# Altium PCB 打样.PcbDoc
Units mm, origin at the board's own origin, x right, y up, seen from the top; angles counter-clockwise.
Board outline 198.01 x 80.01 mm, 2 copper layers (Top Layer, Bottom Layer); 21 components, 8 nets, 58 pads, 50 vias.
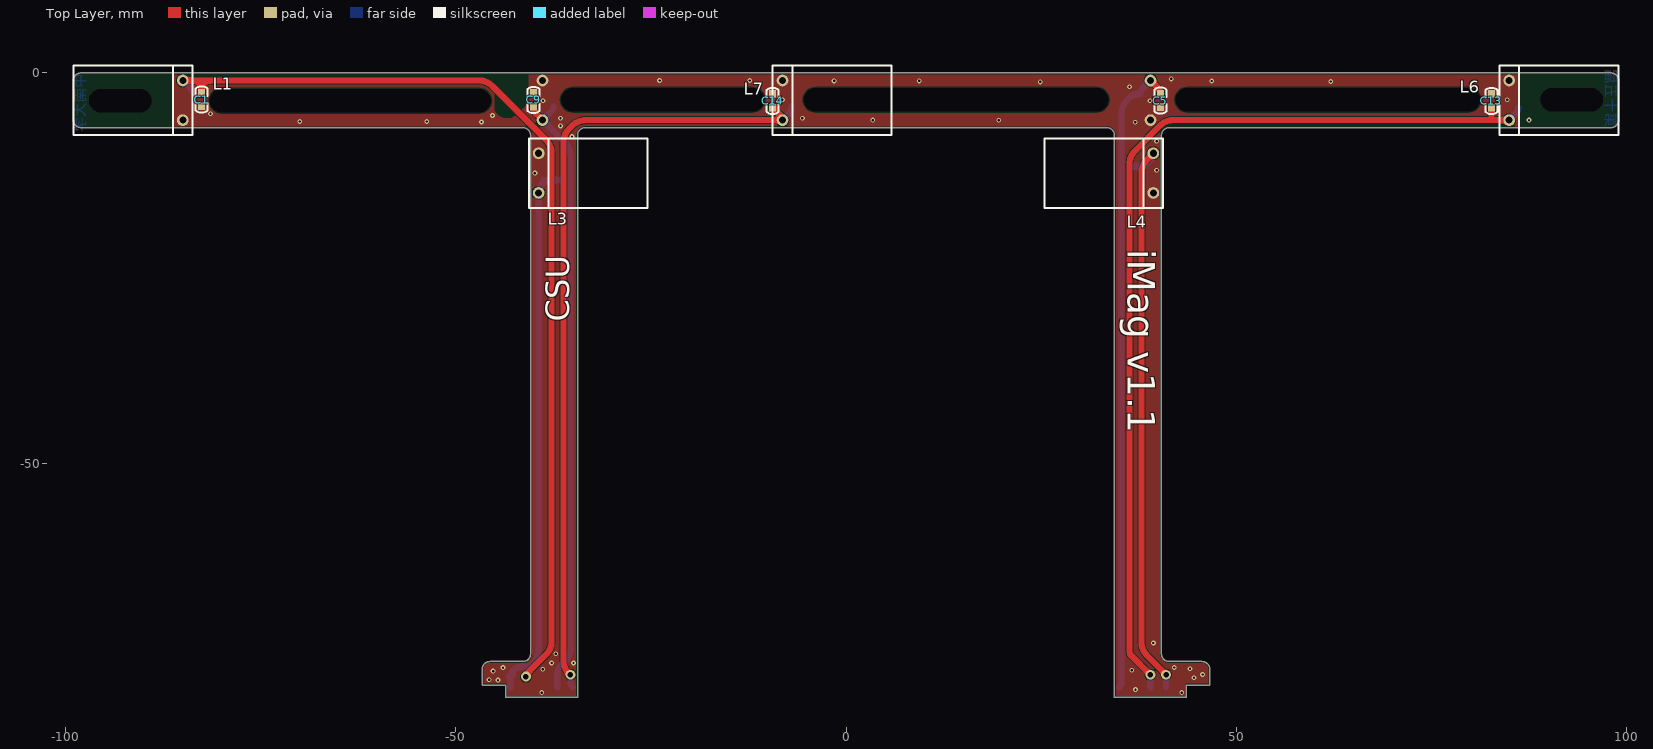
[diagram p0: Top Layer view]
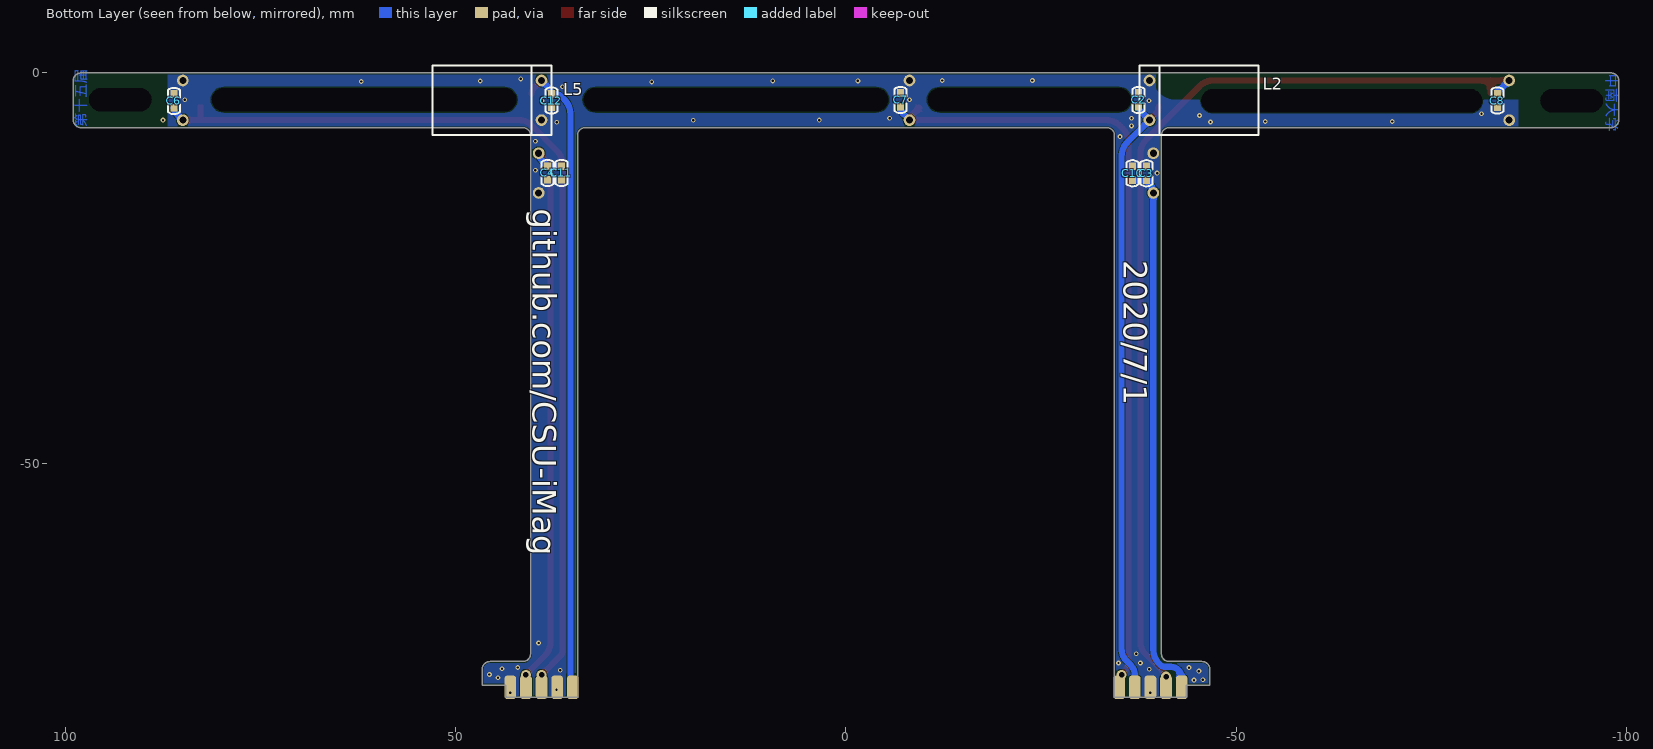
[diagram p1: Bottom Layer view, seen from below]
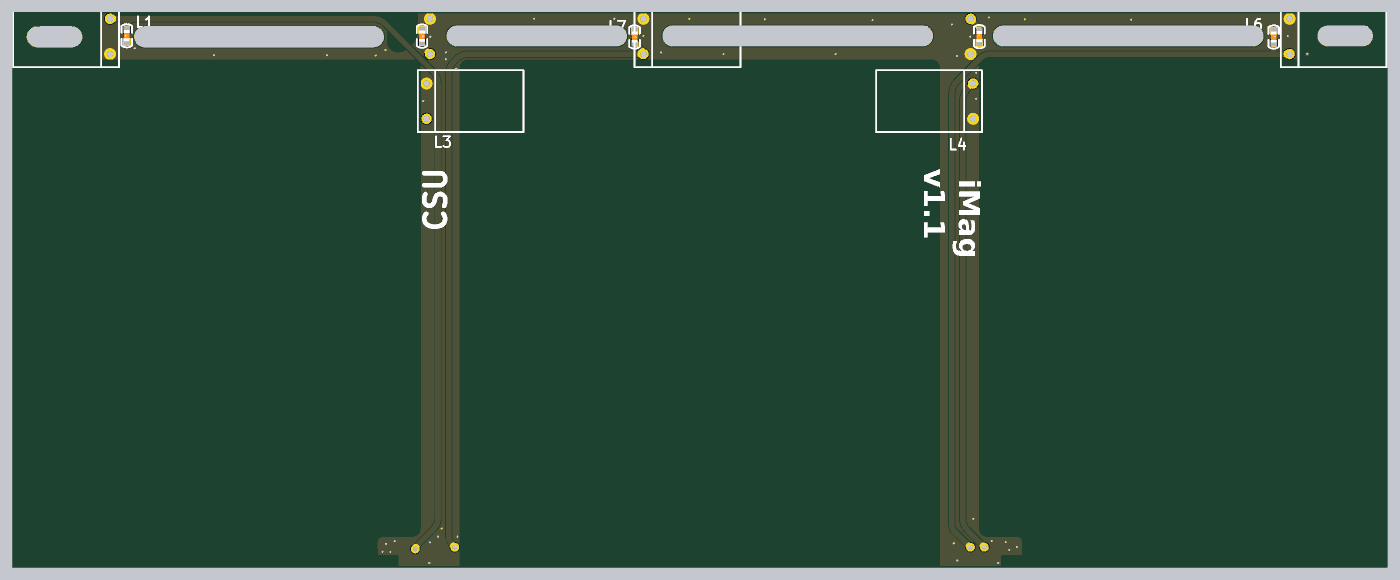
[diagram p2: 3D render of the assembled board from above, using the file's embedded part models]
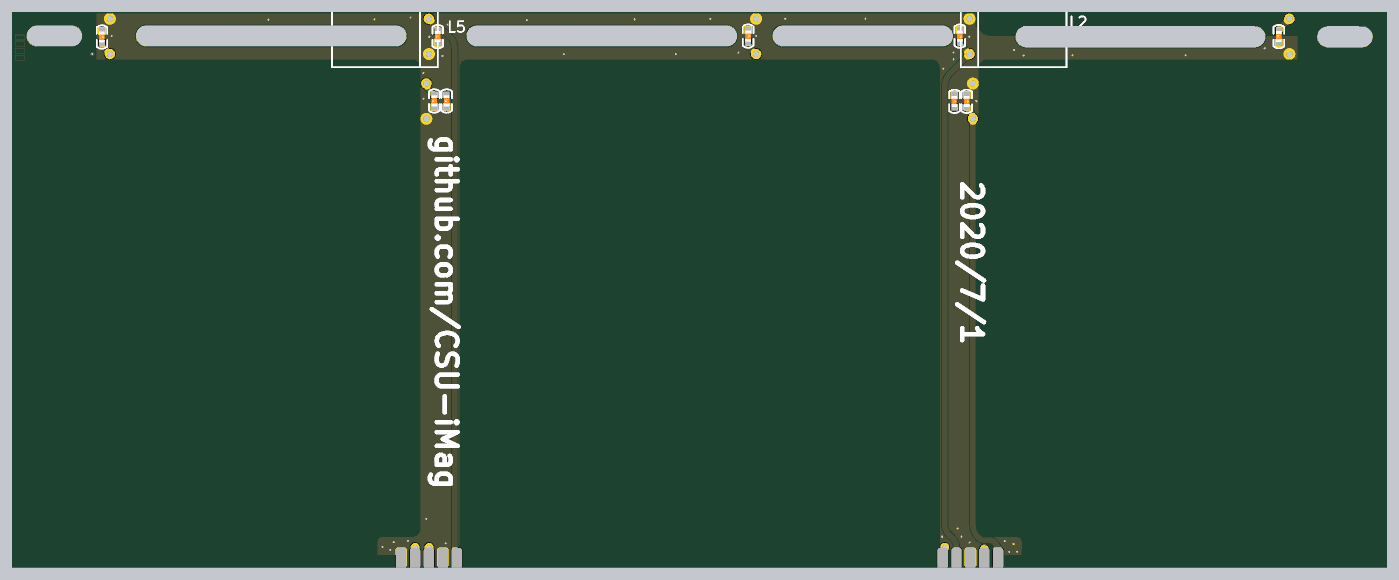
[diagram p3: 3D render of the assembled board from below, using the file's embedded part models]

## Layer stack, top to bottom
Top Solder: solder mask 0.0102, Solder Resist, Dk 3.5
Top Layer: signal copper 0.0356
Dielectric 1: dielectric 0.32, FR-4, Dk 4.8
Bottom Layer: signal copper 0.0356
Bottom Solder: solder mask 0.0102, Solder Resist, Dk 3.5

## Board outline
-46.6,-78.407 -43.607,-78.407 -43.607,-80 ccw(c-43.6,-80) -43.6,-80.007 -34.4,-80.007 ccw(c-34.4,-80) -34.393,-80 -34.393,-8 cw(c-33.4,-8) -33.4,-7.007 cw(c-33.4,-8) -33.4,-7.007 33.4,-7.007 ccw(c33.4,-7) 33.4,-7.007 cw(c33.4,-8) 34.393,-8 34.393,-80 ccw(c34.4,-80) 34.4,-80.007 43.6,-80.007 ccw(c43.6,-80) 43.607,-80 43.607,-78.407 46.6,-78.407 ccw(c46.6,-78.4) 46.607,-78.4 46.607,-76.4 ccw(c45.6,-76.4) 45.6,-75.393 41.4,-75.393 ccw(c41.4,-75.4) 41.4,-75.393 cw(c41.4,-74.4) 40.407,-74.4 40.407,-8 cw(c41.4,-8) 41.4,-7.007 cw(c41.4,-8) 41.4,-7.007 98,-7.007 ccw(c98,-6) 99.007,-6 ccw(c99,-6) 99.007,-6 99.007,-1 ccw(c98,-1) 98,0.007 -98,0.007 ccw(c-98,-1) -99.007,-1 ccw(c-99,-1) -99.007,-1 -99.007,-6 cw(c-99,-6) -99.007,-6 ccw(c-98,-6) -98,-7.007 -41.4,-7.007 ccw(c-41.4,-7) -41.4,-7.007 cw(c-41.4,-8) -40.407,-8 -40.407,-74.4 cw(c-41.4,-74.4) -41.4,-75.393 ccw(c-41.4,-75.4) -41.4,-75.393 -45.6,-75.393 ccw(c-45.6,-76.4) -46.607,-76.4 -46.607,-78.4 ccw(c-46.6,-78.4)

## Design rules (kind name [scope] priority, off if disabled: settings)
BoardOutlineClearance [All] p1: gap=0.2 ignorepadtopadclearanceinfootprint=FALSE
Clearance [All] p1: gap=0.127 ignorepadtopadclearanceinfootprint=TRUE except(0: Arc-Text Arc-Hole Track-Text Track-Hole SMDPad-Hole THPad-Hole Via-Hole Fill-Text Fill-Hole Poly-Text Poly-Hole Region-Text Region-Hole Text-Text; 0.089: SMDPad-Text THPad-Text Via-Text Text-Hole; 0.15: Via-Fill Via-Poly Via-Region; 0.152: Arc-SMDPad Arc-THPad Arc-Via Track-SMDPad Track-THPad Track-Via SMDPad-Fill SMDPad-Poly SMDPad-Region THPad-Fill THPad-Poly THPad-Region; 0.254: SMDPad-SMDPad SMDPad-THPad SMDPad-Via THPad-THPad THPad-Via Via-Via)
ComponentClearance [All] p1: gap=0.254 collisioncheckmode=3 verticalgap=0.254 showdistances=TRUE
DiffPairsRouting [All] p1: maxlimit=0.254 minlimit=0.152 mostfreqgap=0.254 toplayer_minwidth=0.152 toplayer_maxwidth=0.381 toplayer_prefwidth=0.381 bottomlayer_minwidth=0.152 bottomlayer_maxwidth=0.381 bottomlayer_prefwidth=0.381 maxuncoupledlength=12.7
HoleSize [All] p1: absolutevalues=TRUE maxlimit=0.6 minlimit=0.3 maxpercent=80.000 minpercent=20.000
MinimumSolderMaskSliver [All] p1: minsoldermaskwidth=0.05
PlaneConnect [All] p1: planeconnectstyle=Direct reliefexpansion=0.508 reliefentries=4 reliefconductorwidth=0.254 reliefairgap=0.254
PolygonConnect [All] p1: connectstyle=Direct reliefconductorwidth=0.254 reliefentries=4 polygonreliefangle="90 Angle" airgapwidth=0.254
RoutingVias [All] p1: holewidth=0.4 width=0.7 viastyle="Through Hole" minholewidth=0.3 minwidth=0.6 maxholewidth=6.3 maxwidth=7
SilkToSilkClearance [All] p1: silktosilkclearance=0.127
SilkToSolderMaskClearance [IsPad] p1: minsilkscreentomaskgap=0.089 clearancetoexposedcopper=FALSE
SolderMaskExpansion [All] p1: expansion=0.102 istentingtop=FALSE
UnRoutedNet [All] p1: checkbadconnections=TRUE
Width [All] p1: maxlimit=2.032 minlimit=0.127 preferedwidth=0.254
22 further rules are at their usual default settings.

## Components (designator, comment, footprint, x,y, rotation, side; value= is the part's Value field where it differs from the comment)
C1 "电容" C0603 -82.55,-4.293 r90 top value=22pF
C2 "电容" C0603 -37.481,-2.565 r270 bottom value=22pF
C3 "电容" C0603 -38.481,-11.963 r270 bottom value=22pF
C4 "电容" C0603 38.227,-13.691 r90 bottom value=22pF
C5 "电容" C0603 40.275,-4.42 r90 top value=22pF
C6 "电容" C0603 86.106,-2.692 r270 bottom value=22pF
C7 "电容" C0603 -6.985,-2.565 r270 bottom value=22pF
C8 "电容" C0603 -83.439,-4.42 r90 bottom value=22pF
C9 "电容" C0603 -40.021,-2.565 r270 top value=22pF
C10 "电容" C0603 -36.703,-11.963 r270 bottom value=22pF
C11 "电容" C0603 36.449,-13.691 r90 bottom value=22pF
C12 "电容" C0603 37.735,-4.42 r90 bottom value=22pF
C13 "电容" C0603 82.677,-2.692 r270 top value=22pF
C14 "电容" C0603 -9.398,-2.692 r270 top value=22pF
L1 "电感" LD8x10 -84.963,-3.5 r90 top
L2 "电感" LD8x10 -38.878,-3.5 r270 bottom
L3 "电感" LD8x10 -39.37,-12.827 r270 top
L4 "电感" LD8x10 39.37,-12.827 r90 top
L5 "电感" LD8x10 39.005,-3.5 r90 bottom
L6 "电感" LD8x10 84.963,-3.5 r270 top
L7 "电感" LD8x10 -8.128,-3.5 r270 top

## Footprints (in the part's own frame and the unit in brackets; to place one, negate y for a bottom-side part, rotate by r counter-clockwise, add the part's x,y. Pads: shape width x height; smd on the part's side, far side on the other; paste and mask are expansions set on the pad)
C0603 [mil]
  rect 38x35 smd: 1(0,0) 2(69,0)
  silkscreen extent -31,-30 101,30, body extent 4,-16 67,16, height 12
LD8x10 [mm] "直插8x10mm电感"
  round 1.5 hole 0.9: 1(-2.54,0) 2(2.54,0)
  silkscreen extent -4.45,-1.27 4.44,13.97, body extent -4,-0.4 4,13.25, height 8

## Part data
C1 C2 C3 C4 C5 C6 C7 C8 C9 C10 C11 C12 C13 C14: "Capacitor", LatestRevisionDate=17-Jul-2002, LatestRevisionNote="Re-released for DXP Platform.", PackageDescription="Radial Cap, Thru-Hole; 2 Leads; 0.3 in Pin Spacing", PackageReference=RAD-0.3, Published=8-Jun-2000, Publisher="Altium Limited"

## Free pads (board coordinates)
  rect 0x0 hole 3 slot 8 at 0 deg: 2(-92.964,-3.556) 3(92.964,-3.429)
  rect 0x0 hole 3 slot 36 at 0 deg: 4(-63.5,-3.556)
  rect 0x0 hole 3 slot 39 at 0 deg: 5(61.722,-3.429) 6(14.097,-3.429)
  rect 0x0 hole 3 slot 26 at 0 deg: 7(-23.495,-3.429)
  rrect50% 1.5x3 smd far side: 8(-43,-78.7) 8(-41,-78.7) 8(-37,-78.7) 8(-35,-78.7) 8(35,-78.7) 8(37,-78.7) 8(41,-78.7) 8(43,-78.7) 9(-39,-78.7) 9(39,-78.7)

## Via types
v1: diameter 0.61, hole 0.305, Top Layer to Bottom Layer, tented both sides, 46 vias
v2: diameter 1.27, hole 0.711, Top Layer to Bottom Layer, 4 vias

## Nets (pads, with @x,y where several pads share a name; then routed paths per layer and width w, separated by ;. In a path a pad name is that pad's centre, name@x,y a point inside that pad or via, vN(x,y) a via of type N, cw(c..) or ccw(c..) an arc to the next point about the centre after c; other vN are vias at no path point)
GND: C1.1 C2.1 C3.1 C4.1 C5.1 C6.1 C7.1 C8.1 C9.1 C10.1 C11.1 C12.1 C13.1 C14.1 L1.1 L2.1 L3.1 L4.1 L5.1 L6.1 L7.1 pad.8@37,-78.7 pad.8@43,-78.7 pad.9@-39,-78.7
  other v1: -38.989,-79.375 43,-79.375 37.084,-78.994 -44.577,-77.775 -45.72,-77.739 44.577,-77.485 45.679,-77.053 -45.212,-76.621 36.591,-76.529 -38.862,-76.399 44.069,-76.321 -43.942,-76.175 42.037,-76.166 -37.719,-75.588 -34.91,-75.588 -37.182,-74.416 39.385,-73.025 -39.852,-12.827 39.793,-12.471 39.793,-8.763 -35.105,-8.153 -36.581,-6.784 37.04,-6.326 -46.69,-6.275 -69.977,-6.223 -53.721,-6.223 3.429,-6.04 19.558,-6.047 -36.581,-5.805 -5.588,-5.805 -45.286,-5.455 -81.407,-5.216 -38.822,-3.556 38.949,-3.556 -8.128,-3.429 84.709,-3.429 36.322,-1.769 24.892,-1.143 62.103,-1.101 -1.524,-1.016 9.398,-1.016 46.863,-1.025 -23.876,-0.96 -12.319,-0.96 41.656,-0.762
NetC1_2: C1.2 C8.2 L1.2 pad.8@-41,-78.7 | length 123.7
  Top Layer w0.8: L1.2 -82.55,-0.96 ; C1.2 -82.55,-0.96 ; v2(-41,-77.343) cw(c-40.949,-77.292) -41.021,-77.292 -41.021,-77.089 -38.348,-74.416 ccw(c-39.865,-72.898) -37.719,-72.898 -37.719,-10.323 ccw(c-40.259,-10.323) -38.463,-8.527 -45.286,-1.704 ccw(c-47.082,-3.5) -47.082,-0.96 -82.55,-0.96
  Bottom Layer w0.8: L1.2 -83.568,-2.355 cw(c-83.881,-2.667) C8.2
NetC2_2: C2.2 C9.2 L2.2 pad.8@-37,-78.7 | length 79
  Top Layer w0.8: C9.2 ccw(c-38.623,-4.318) -39.612,-5.306 L2.2
  Bottom Layer w0.8: C2.2 cw(c-38.266,-4.318) -37.711,-4.873 L2.2 -36.05,-8.868 cw(c-37.846,-10.664) -35.306,-10.664 -35.306,-73.787 cw(c-37.452,-73.787) -35.935,-75.305 -36.449,-75.819 ccw(c-35.119,-77.149) -37,-77.149 pad.8@-37,-78.7
NetC3_2: C3.2 C10.2 L3.2 pad.8@-43,-78.7 | length 69.3
  Bottom Layer w0.8: pad.8@-43,-78.7 -43,-77.552 cw(c-41.447,-77.552) -42.545,-76.454 cw(c-41.625,-77.374) -41.625,-76.073 -40.872,-76.073 ccw(c-40.872,-75.206) -40.259,-75.819 -40.114,-75.674 ccw(c-41.91,-73.878) -39.37,-73.878 -39.37,-73.152 L3.2 cw(c-37.53,-15.367) -38.831,-14.066 C3.2 C10.2
NetC4_2: C4.2 C11.2 L4.2 pad.8@41,-78.7 | length 74
  Top Layer w0.8: L4.2 38.59,-11.067 ccw(c40.386,-12.863) 37.846,-12.863 37.846,-72.862 ccw(c40.386,-72.862) 38.59,-74.658 40.985,-77.053 cw(c40.949,-77.089) v2(41,-77.089)
  Bottom Layer w0.8: C11.2 C4.2 39.011,-11.154 ccw(c38.144,-10.287) L4.2 ; pad.8@41,-78.7 v2(41,-77.089)
NetC5_2: C5.2 C12.2 L5.2 pad.8@35,-78.7 | length 81.9
  Top Layer w0.8: L5.2 39.966,-1.921 cw(c39.22,-2.667) C5.2
  Bottom Layer w0.8: pad.8@35,-78.7 ccw(c34.261,-77.961) 35.306,-77.961 35.306,-72.898 35.306,-5.243 cw(c37.846,-5.243) 36.05,-3.447 36.449,-3.048 cw(c37.369,-3.968) 37.369,-2.667 C12.2 cw(c38.79,-2.667) 38.044,-1.921 L5.2
NetC6_2: C6.2 C13.2 L6.2 pad.9@39,-78.7 | length 121.5
  Top Layer w0.8: v2(38.989,-77.089) 36.591,-74.691 cw(c37.242,-74.041) 36.322,-74.041 36.322,-11.684 cw(c38.775,-11.684) 37.04,-9.95 40.275,-6.715 ; L6.2 41.905,-6.04 ccw(c41.905,-8.345) 40.276,-6.714 ; 40.276,-6.714 ccw(c41.905,-8.345) 40.275,-6.715
  Bottom Layer w0.8: v2(38.989,-77.089) 38.989,-78.673 ccw(c39.027,-78.673) pad.9@39,-78.7 ; L6.2 85.786,-5.217 ccw(c85.015,-4.445) C6.2
NetC7_2: C7.2 C14.2 L7.2 pad.8@-35,-78.7 | length 104.3
  Top Layer w0.8: v2(-35.306,-77.089) ccw(c-35.122,-77.089) -35.252,-77.219 -35.451,-77.02 cw(c-33.655,-75.224) -36.195,-75.224 -36.195,-74.168 -36.195,-8.926 cw(c-33.655,-8.926) -35.451,-7.13 -35.105,-6.784 cw(c-33.309,-8.58) -33.309,-6.04 L7.2 ccw(c-8.913,-6.04) -8.358,-5.485 C14.2
  Bottom Layer w0.8: v2(-35.306,-77.089) -35.306,-77.961 ccw(c-34.261,-77.961) pad.8@-35,-78.7 ; L7.2 -7.394,-5.306 ccw(c-8.383,-4.318) C7.2
copper on no net:
  other v1: 87.503,-6.04

## Polygon pours and split planes (outlines as drawn)
GND on Bottom Layer "NONET_L01_P-001" (solid, remove dead copper, pour order 0): -86.106,4.445 -86.106,-54.066 ccw(c-83.566,-54.066) -85.362,-55.862 -55.227,-85.997 ccw(c-53.431,-84.201) -53.431,-86.741 96.393,-86.741 96.393,-23.404 ccw(c93.853,-23.404) 95.649,-21.608 86.106,-12.065 86.124,-12.047 ccw(c84.328,-10.251) 86.868,-10.251 86.868,1.651 cw(c86.868,4.104) 85.134,2.369 84.328,3.175
GND on Top Layer "NONET_L01_P-001" (solid, remove dead copper, pour order 1): -85.471,2.667 cw(c-86.248,2.345) -86.233,1.504 -86.233,-77.978 -80.5,-83.711 ccw(c-78.704,-81.915) -78.704,-84.455 62.067,-84.455 ccw(c62.067,-81.915) 63.863,-83.711 85.489,-62.085 ccw(c83.693,-60.289) 86.233,-60.289 86.233,2.667

## Other copper
Top Layer:
  rectangle net NetC6_2: 82.296,-6.096 83.058,-4.064
  pour cut-out: -45.085,2.032 -45.085,-4.332 ccw(c-43.784,-4.332) -44.704,-5.252 -44.659,-5.297 ccw(c-43.434,-4.072) -43.434,-5.805 ccw(c-43.434,-3.771) -41.996,-5.209 -41.361,-4.574 ccw(c-43.158,-2.778) -40.618,-2.778 -40.618,0.728 ccw(c-42.82,0.728) -41.263,2.286
Bottom Layer:
  pour cut-out: -80.01,2.794
  pour cut-out: -87.249,-3.175 ccw(c-86.636,-2.562) -86.636,-3.429 -42.077,-3.429 ccw(c-42.077,-0.889) -40.281,-2.685 -39.852,-2.255 ccw(c-40.214,-1.893) -39.701,-1.893 -39.701,0.254 -85.181,0.254 cw(c-85.181,2.794) -86.977,0.998 -87.503,1.524
  text "中南大学" at -97.028,-0.127 h2.3 r90
  text "第十五届" at 96.901,-6.985 h2.3 r270

## Silkscreen, mask and mechanical layers (free items; w line width, h text height)
Top Overlay:
  text "iMag v1.1" at 34.925,-22.606 h6 r270
  text "CSU" at -35.433,-31.877 h3 r90
Bottom Overlay:
  text "github.com/CSU-iMag" at 40.132,-17.399 h3 r90
  text "2020/7/1" at -35.56,-24.003 h3 r90
Mechanical 1:
  lines w0.013: -99,-6 ccw(c-98,-6) -98,-7 ; -99,-6 ccw(c-98,-6) -98,-7 ; -99,-6 -99,-1 ; -99,-6 -99,-1 ; -99,-1 cw(c-98,-1) -98,0 ; -99,-1 cw(c-98,-1) -98,0 ; -98,-7 -41.4,-7 ; -98,-7 -41.4,-7 ; -98,0 98,0 ; -98,0 98,0 ; -97,-5 -97,-2 ; -97,-5 -89,-5 ; -97,-5 -97,-2 ; -97,-5 -89,-5 ; -97,-2 -89,-2 ; -97,-2 -89,-2 ; -89,-5 -89,-2 ; -89,-5 -89,-2 ; -89,-2 -89,-3.5 -89,-2 ; -50.5,-5 -50.5,-2 ; -50.5,-5 -42.5,-5 ; -50.5,-5 -50.5,-2 ; -50.5,-5 -42.5,-5 ; -50.5,-2 -42.5,-2 ; -50.5,-2 -42.5,-2 ; -46.6,-78.4 -43.6,-78.4 ; -46.6,-78.4 -46.6,-76.4 ; -46.6,-78.4 -43.6,-78.4 ; -46.6,-78.4 -46.6,-76.4 ; -46.6,-76.4 cw(c-45.6,-76.4) -45.6,-75.4 ; -46.6,-76.4 cw(c-45.6,-76.4) -45.6,-75.4 ; -45.6,-75.4 -41.4,-75.4 ; -45.6,-75.4 -41.4,-75.4 ; -43.6,-80 -34.4,-80 ; -43.6,-80 -43.6,-78.4 ; -43.6,-80 -34.4,-80 ; -43.6,-80 -43.6,-78.4 ; -42.5,-5 -42.5,-3.5 ; -42.5,-5 -42.5,-3.5 ; -42.5,-3.5 -42.5,-2 ; -42.5,-3.5 -42.5,-2 ; -41.4,-75.4 ccw(c-41.4,-74.4) -40.4,-74.4 ; -41.4,-75.4 ccw(c-41.4,-74.4) -40.4,-74.4 ; -41.4,-7 cw(c-41.4,-8) -40.4,-8 ; -41.4,-7 cw(c-41.4,-8) -40.4,-8 ; -40.4,-74.4 -40.4,-8 ; -40.4,-74.4 -40.4,-8 ; -34.4,-80 -34.4,-8 ; -34.4,-80 -34.4,-8 ; -34.4,-8 cw(c-33.4,-8) -33.4,-7 ; -34.4,-8 cw(c-33.4,-8) -33.4,-7 ; -33.4,-7 33.4,-7 ; -33.4,-7 33.4,-7 ; -4,-5 -4,-2 ; -4,-5 4,-5 ; -4,-5 -4,-2 ; -4,-5 4,-5 ; -4,-2 4,-2 ; -4,-2 4,-2 ; 4,-5 4,-2 ; 4,-5 4,-2 ; 4,-2 4,-3.5 4,-2 ; 33.4,-7 cw(c33.4,-8) 34.4,-8 ; 33.4,-7 cw(c33.4,-8) 34.4,-8 ; 34.4,-80 34.4,-8 ; 34.4,-80 43.6,-80 ; 34.4,-80 34.4,-8 ; 34.4,-80 43.6,-80 ; 40.4,-74.4 ccw(c41.4,-74.4) 41.4,-75.4 ; 40.4,-74.4 ccw(c41.4,-74.4) 41.4,-75.4 ; 40.4,-74.4 40.4,-8 ; 40.4,-74.4 40.4,-8 ; 40.4,-8 cw(c41.4,-8) 41.4,-7 ; 40.4,-8 cw(c41.4,-8) 41.4,-7 ; 41.4,-75.4 45.6,-75.4 ; 41.4,-75.4 45.6,-75.4 ; 41.4,-7 98,-7 ; 41.4,-7 98,-7 ; 42.5,-5 42.5,-2 ; 42.5,-5 50.5,-5 ; 42.5,-5 42.5,-2 ; 42.5,-5 50.5,-5 ; 42.5,-2 50.5,-2 ; 42.5,-2 50.5,-2 ; 43.6,-80 43.6,-78.4 ; 43.6,-80 43.6,-78.4 ; 43.6,-78.4 46.6,-78.4 ; 43.6,-78.4 46.6,-78.4 ; 45.6,-75.4 cw(c45.6,-76.4) 46.6,-76.4 ; 45.6,-75.4 cw(c45.6,-76.4) 46.6,-76.4 ; 46.6,-78.4 46.6,-76.4 ; 46.6,-78.4 46.6,-76.4 ; 50.5,-5 50.5,-3.5 ; 50.5,-5 50.5,-3.5 ; 50.5,-3.5 50.5,-2 ; 50.5,-3.5 50.5,-2 ; 89,-5 89,-2 ; 89,-5 97,-5 ; 89,-5 89,-2 ; 89,-5 97,-5 ; 89,-2 97,-2 ; 89,-2 97,-2 ; 97,-5 97,-2.25 97,-5 ; 97,-2 97,-3.5 97,-2 ; 98,-7 ccw(c98,-6) 99,-6 ; 98,-7 ccw(c98,-6) 99,-6 ; 98,0 cw(c98,-1) 99,-1 ; 98,0 cw(c98,-1) 99,-1 ; 99,-6 99,-1 ; 99,-6 99,-1